# Altium PCB 继电器板.PcbDoc
Units mil, origin at the board's own origin, x right, y up, seen from the top; angles counter-clockwise.
Board outline 5433.07 x 2953 mil, 2 copper layers (Top Layer, Bottom Layer); 149 components, 143 nets, 537 pads, 92 vias.
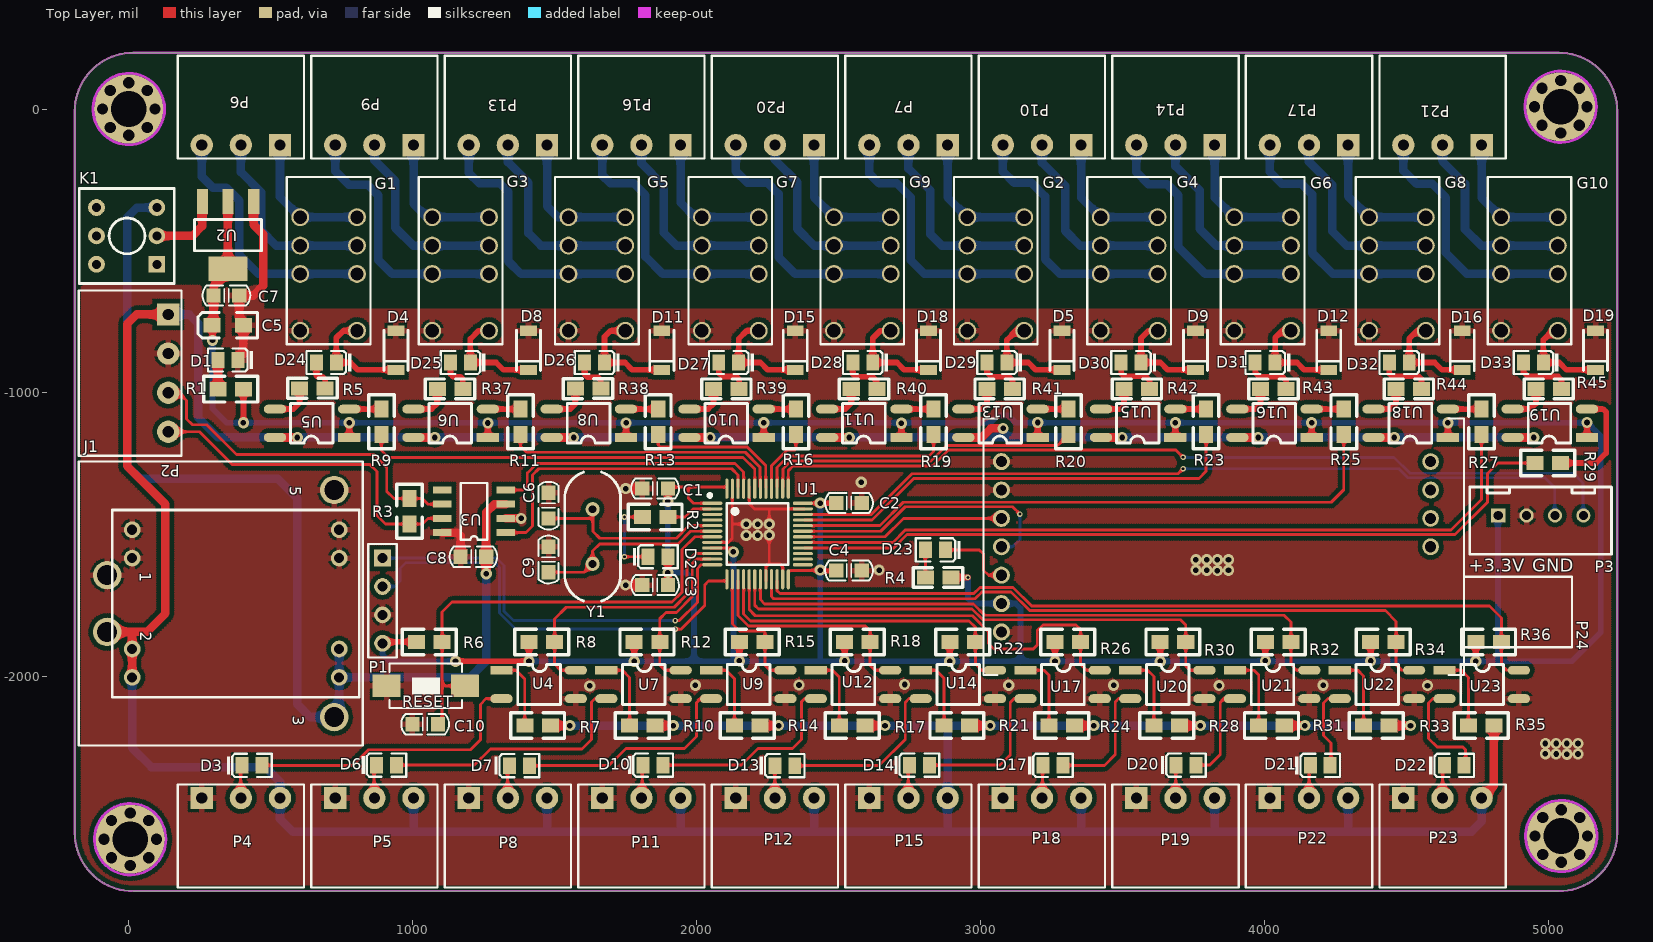
[diagram p0: Top Layer view]
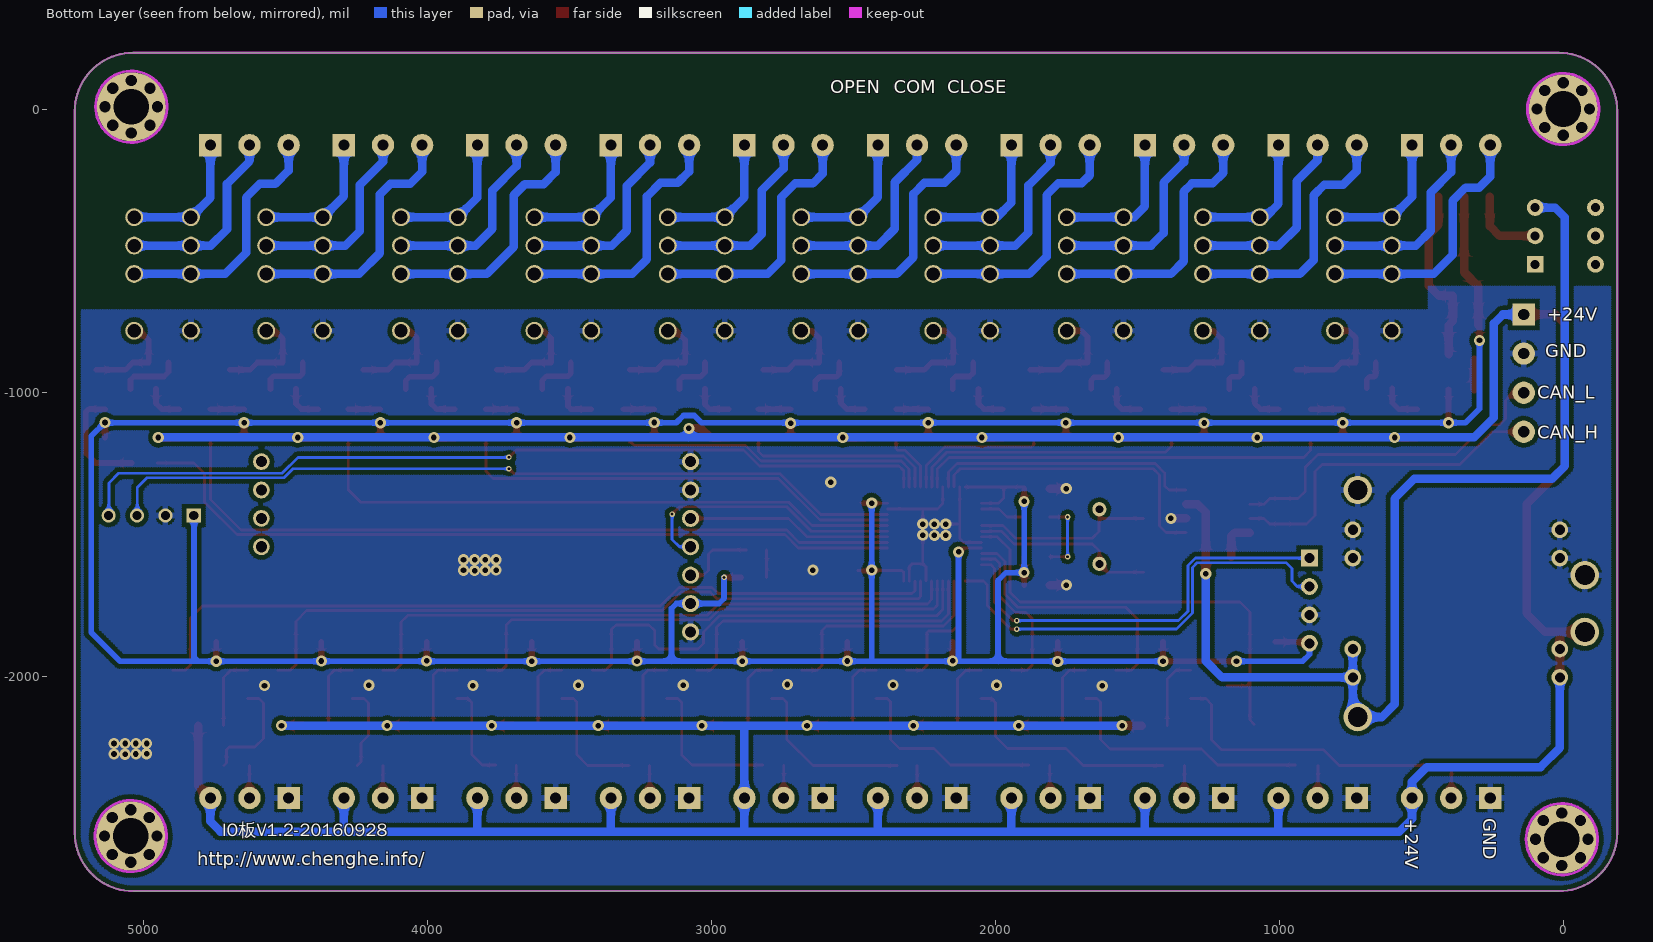
[diagram p1: Bottom Layer view, seen from below]

## Layer stack, top to bottom
Top Solder: solder mask 0.4, Solder Resist, Dk 3.5
Top Layer: signal copper 1.4
Dielectric1: dielectric 12.6, FR-4, Dk 4.8
Bottom Layer: signal copper 1.4
Bottom Solder: solder mask 0.4, Solder Resist, Dk 3.5

## Board outline
-190,-2550 -190,-7 cw(c15,-7) 15,198 5038.07,198 cw(c5038.07,-7) 5243.07,-7 5243.07,-2550 5243,-2550 cw(c5038,-2550) 5038,-2755 5038,-2754.76 15,-2754.76 15,-2755 cw(c15,-2550)

## Design rules (kind name [scope] priority, off if disabled: settings)
Clearance Clearance_1 [InPolygon] p1: gap=15.75
Clearance [All] p2: gap=6
HoleSize [All] p1: absolutevalues=TRUE maxlimit=196.85 minlimit=1 maxpercent=80.000 minpercent=20.000
HoleToHoleClearance [All] p1: gap=0 allowstackedmicrovias=TRUE
MinimumSolderMaskSliver [All] p1: minsoldermaskwidth=0
PolygonConnect PolygonConnect_1 [IsVia] p1: connectstyle=Direct reliefconductorwidth=10 reliefentries=4 polygonreliefangle="90 Angle" airgapwidth=10
PolygonConnect [IsPad] p2: connectstyle=Relief reliefconductorwidth=20 reliefentries=4 polygonreliefangle="90 Angle" airgapwidth=10
RoutingVias [All] p1: holewidth=28 width=50 viastyle="Through Hole" minholewidth=9.84 minwidth=19.68 maxholewidth=28 maxwidth=50
SilkToSilkClearance [All] p1: silktosilkclearance=-393.7
SilkToSolderMaskClearance [IsPad] p1: minsilkscreentomaskgap=-393.7 clearancetoexposedcopper=TRUE
SolderMaskExpansion [All] p1: expansion=4
UnpouredPolygon [All] p1: allowunpoured=FALSE
Width [All] p1: maxlimit=100 minlimit=8 preferedwidth=10
24 further rules are at their usual default settings.

## Components (designator, comment, footprint, x,y, rotation, side; value= is the part's Value field where it differs from the comment)
C1 "104" C0805 1854,-1337 r180 top
C2 "104" C0805 2537,-1388 r0 top
C3 "104" C0805 1854,-1677 r180 top
C4 "104" C0805 2537,-1626 r0 top
C5 "100uF/6.3V" 3216 349,-762 r180 top
C6 "22pF" C0805 1479,-1397 r90 top
C7 "0.1uF" C0805 344,-657 r180 top
C8 "104" C0805 1214,-1577 r180 top
C9 "22pF" C0805 1479,-1587 r90 top
C10 "0.1uF" C0805 1044,-2167 r180 top
D1 "LED0" LC-0805_LED_S1 314,-884 r180 top
D2 "LED0" LC-0805_LED_S1 1899,-1577 r0 top
D3 "LED0" LC-0805_LED_S1 469,-2312 r0 top
D4 "" LC-LL-34 941,-918.8 r90 top
D5 "" LC-LL-34 3287.44,-918.8 r90 top
D6 "LED0" LC-0805_LED_S1 943,-2311 r0 top
D7 "LED0" LC-0805_LED_S1 1411,-2313 r0 top
D8 "" LC-LL-34 1407.89,-918.8 r90 top
D9 "" LC-LL-34 3757.33,-918.8 r90 top
D10 "LED0" LC-0805_LED_S1 1882,-2311 r0 top
D11 "" LC-LL-34 1877.78,-918.8 r90 top
D12 "" LC-LL-34 4227.22,-918.8 r90 top
D13 "LED0" LC-0805_LED_S1 2346,-2313 r0 top
D14 "LED0" LC-0805_LED_S1 2820,-2311 r0 top
D15 "" LC-LL-34 2347.67,-918.8 r90 top
D16 "" LC-LL-34 4697.11,-918.8 r90 top
D17 "LED0" LC-0805_LED_S1 3291,-2312 r0 top
D18 "" LC-LL-34 2817.56,-918.8 r90 top
D19 "" LC-LL-34 5167,-918.8 r90 top
D20 "LED0" LC-0805_LED_S1 3759,-2311 r0 top
D21 "LED0" LC-0805_LED_S1 4232,-2312 r0 top
D22 "LED0" LC-0805_LED_S1 4704,-2312 r0 top
D23 "LED0" LC-0805_LED_S1 2807,-1553 r180 top
D24 "LED0" LC-0805_LED_S1 661,-893 r180 top
D25 "LED0" LC-0805_LED_S1 1133.44,-893 r180 top
D26 "LED0" LC-0805_LED_S1 1605.89,-893 r180 top
D27 "LED0" LC-0805_LED_S1 2078.33,-893 r180 top
D28 "LED0" LC-0805_LED_S1 2550.78,-893 r180 top
D29 "LED0" LC-0805_LED_S1 3023.22,-893 r180 top
D30 "LED0" LC-0805_LED_S1 3495.67,-893 r180 top
D31 "LED0" LC-0805_LED_S1 3968.11,-893 r180 top
D32 "LED0" LC-0805_LED_S1 4440.56,-893 r180 top
D33 "LED0" LC-0805_LED_S1 4913,-893 r180 top
G1 "G6S-2-24V" G6S-2-24V 604,-781 r90 top
G2 "G6S-2-24V" G6S-2-24V 2954,-781 r90 top
G3 "G6S-2-24V" G6S-2-24V 1069,-781 r90 top
G4 "G6S-2-24V" G6S-2-24V 3424,-781 r90 top
G5 "G6S-2-24V" G6S-2-24V 1549,-781 r90 top
G6 "G6S-2-24V" G6S-2-24V 3894,-781 r90 top
G7 "G6S-2-24V" G6S-2-24V 2019,-781 r90 top
G8 "G6S-2-24V" G6S-2-24V 4369,-781 r90 top
G9 "G6S-2-24V" G6S-2-24V 2484,-781 r90 top
G10 "G6S-2-24V" G6S-2-24V 4834,-781 r90 top
J1 "WD5-24S5A1" WD5-24S3V3 -76,-1642 r0 top
K1 "BUTTON" BTN8.5*8.5 99,-547 r180 top
P1 "Header 4" HDR1X4 894,-1582 r270 top
P2 "CAN" DZ-4-3.5 139,-723.61 r270 top
P3 "Header 4" IDE4 4824,-1432 r0 top
P4 "" DZ-3-3.5 257.2,-2427 r0 top locked
P5 "" DZ-3-3.5 727.52,-2427 r0 top
P6 "" DZ-3-3.5 532.8,-127 r180 top locked
P7 "" DZ-3-3.5 2884.35,-127 r180 top
P8 "" DZ-3-3.5 1197.83,-2427 r0 top
P9 "" DZ-3-3.5 1003.11,-127 r180 top
P10 "" DZ-3-3.5 3354.66,-127 r180 top
P11 "" DZ-3-3.5 1668.14,-2427 r0 top
P12 "" DZ-3-3.5 2138.45,-2427 r0 top
P13 "" DZ-3-3.5 1473.42,-127 r180 top
P14 "" DZ-3-3.5 3824.97,-127 r180 top
P15 "" DZ-3-3.5 2608.76,-2427 r0 top
P16 "" DZ-3-3.5 1943.73,-127 r180 top
P17 "" DZ-3-3.5 4295.28,-127 r180 top
P18 "" DZ-3-3.5 3079.07,-2427 r0 top
P19 "" DZ-3-3.5 3549.38,-2427 r0 top
P20 "" DZ-3-3.5 2414.04,-127 r180 top
P21 "" DZ-3-3.5 4765.59,-127 r180 top locked
P22 "" DZ-3-3.5 4019.69,-2427 r0 top
P23 "" DZ-3-3.5 4490,-2427 r0 top locked
P24 "Header 7" AS50-T27 3074,-1842 r0 top
R1 "1k" 0805 404,-987 r180 top
R2 "102" 0805 1899,-1437 r180 top
R3 "120R" 0805 989,-1372 r270 top
R4 "1k" 0805 2896,-1650 r180 top
R5 "4.7K" 0805 602,-984 r0 top
R6 "10K" 0805 1104,-1877 r180 top
R7 "4.7K" 0805 1395,-2172 r0 top
R8 "1K" 0805 1500,-1877 r180 top
R9 "1K" 0805 890,-1147 r90 top
R10 "4.7K" 0805 1764.33,-2172 r0 top
R11 "1K" 0805 1380,-1147 r90 top
R12 "1K" 0805 1870.56,-1877 r180 top
R13 "1K" 0805 1865,-1147 r90 top
R14 "4.7K" 0805 2133.67,-2172 r0 top
R15 "1K" 0805 2241.11,-1877 r180 top
R16 "1K" 0805 2350,-1147 r90 top
R17 "4.7K" 0805 2503,-2172 r0 top
R18 "1K" 0805 2611.67,-1877 r180 top
R19 "1K" 0805 2835,-1147 r90 top
R20 "1K" 0805 3310,-1147 r90 top
R21 "4.7K" 0805 2872.33,-2172 r0 top
R22 "1K" 0805 2982.22,-1877 r180 top
R23 "1K" 0805 3795,-1147 r90 top
R24 "4.7K" 0805 3241.67,-2172 r0 top
R25 "1K" 0805 4280,-1147 r90 top
R26 "1K" 0805 3352.78,-1877 r180 top
R27 "1K" 0805 4765,-1147 r90 top
R28 "4.7K" 0805 3611,-2172 r0 top
R29 "1K" 0805 4953,-1247 r0 top
R30 "1K" 0805 3723.33,-1877 r180 top
R31 "4.7K" 0805 3980.33,-2172 r0 top
R32 "1K" 0805 4093.89,-1877 r180 top
R33 "4.7K" 0805 4349.67,-2172 r0 top
R34 "1K" 0805 4464.44,-1877 r180 top
R35 "4.7K" 0805 4719,-2172 r0 top
R36 "1K" 0805 4835,-1877 r180 top
R37 "4.7K" 0805 1087,-986 r0 top
R38 "4.7K" 0805 1573,-985 r0 top
R39 "4.7K" 0805 2060,-986 r0 top
R40 "4.7K" 0805 2545,-986 r0 top
R41 "4.7K" 0805 3023,-986 r0 top
R42 "4.7K" 0805 3506,-986 r0 top
R43 "4.7K" 0805 3987,-986 r0 top
R44 "4.7K" 0805 4464,-986 r0 top
R45 "4.7K" 0805 4957,-986 r0 top
RESET "KEY_M" SW_PB2_A1 1044,-2032 r270 top (schematic designator RESET?)
U1 "STM32f103C8T6" LC-LQFP-48 2215,-1497 r270 top
U2 "AMS1117" LC-SOT-223 350,-444 r90 top
U3 "TJA1050" SOP-8 1328.41,-1492 r180 top
U4 "TLP185" TLP127 1290,-1976.96 r0 top
U5 "TLP127" SO-4 800,-1157.04 r180 top
U6 "TLP127" SO-4 1288.19,-1157.04 r180 top
U7 "TLP185" TLP127 1659.09,-1976.96 r0 top
U8 "TLP127" SO-4 1775,-1157.04 r180 top
U9 "TLP185" TLP127 2028.18,-1976.96 r0 top
U10 "TLP127" SO-4 2260,-1157.04 r180 top
U11 "TLP127" SO-4 2745,-1157.04 r180 top
U12 "TLP185" TLP127 2397.27,-1976.96 r0 top
U13 "TLP127" SO-4 3225,-1157.04 r180 top
U14 "TLP185" TLP127 2766.36,-1976.96 r0 top
U15 "TLP127" SO-4 3710,-1157.04 r180 top
U16 "TLP127" SO-4 4190,-1157.04 r180 top
U17 "TLP185" TLP127 3135.45,-1976.96 r0 top
U18 "TLP127" SO-4 4670,-1157.04 r180 top
U19 "TLP127" SO-4 5160,-1157.04 r180 top
U20 "TLP185" TLP127 3504.54,-1976.96 r0 top
U21 "TLP185" TLP127 3873.63,-1976.96 r0 top
U22 "TLP185" TLP127 4242.72,-1976.96 r0 top
U23 "TLP185" TLP127 4611.81,-1976.96 r0 top
Y1 "8M" XTAL_US 1634,-1409.87 r270 top

## Footprints (in the part's own frame and the unit in brackets; to place one, negate y for a bottom-side part, rotate by r counter-clockwise, add the part's x,y. Pads: shape width x height; smd on the part's side, far side on the other; paste and mask are expansions set on the pad)
0805 [mil]
  rect 60x50 smd: 1(0,0) 2(90,0)
  silkscreen extent -50,-45 140,45
3216 [mil]
  rect 60x50 smd: 1(55,0) 2(-55,0)
  silkscreen extent -105,-45 105,45, body extent -65,-31 61,32, height 63
AS50-T27 [mm]
  round 1.5 hole 1: 0(38.4,7.62) 0(38.4,10.16) 0(38.4,12.7) 0(38.4,15.24)
  round 1.524 hole 1: 1(0,0) 2(0,2.54) 3(0,5.08) 4(0,7.62) 5(0,10.16) 6(0,12.7) 7(0,15.24)
  silkscreen extent -1.6,-3.85 51.05,19.09
BTN8.5*8.5 [mm]
  rect 1.5x1.5 hole 0.8: 1(0,0)
  round 1.5 hole 0.8: 2(0,-2.54) 3(0,-5.08) 4(5.4,-5.08) 5(5.4,-2.54) 6(5.4,0)
  silkscreen extent -1.55,-6.79 6.95,1.71
C0805 [mil]
  rect 50x50 smd: 1(-45,0) 2(45,0)
  silkscreen extent -84,-36 84,36, body extent -39,-25 40,24, height 20
DZ-3-3.5 [mm]
  rect 2x2 hole 1: 1(0,0)
  round 2 hole 1: 2(3.5,0) 3(7,0)
  silkscreen extent -2.15,-8 9.15,1.2
DZ-4-3.5 [mm]
  rect 2x2 hole 1: 1(0,0)
  round 2 hole 1: 2(3.5,0) 3(7,0) 4(10.5,0)
  silkscreen extent -2.15,-8 12.65,1.2
G6S-2-24V [mm]
  round 1.6 hole 1.2: 1(0,0) 3(5.08,0) 4(7.62,0) 5(10.16,0) 8(10.16,-5.08) 9(7.62,-5.08) 10(5.08,-5.08) 12(0,-5.08)
  silkscreen extent -1.2,-6.28 13.76,1.2
HDR1X4 [mm] "Conn"
  rect 1.5x1.5 hole 0.9: 1(0,0)
  round 1.5 hole 0.9: 2(2.54,0) 3(5.08,0) 4(7.62,0)
  silkscreen extent -1.27,-1.27 8.89,1.27
IDE4 [mil]
  rect 50x50 hole 32: 1(0,0)
  round 50 hole 32: 2(100,0) 3(200,0) 4(300,0)
  silkscreen extent -100,-136 399,100
LC-0805_LED_S1 [mm]
  rect 1.16x1.47 smd: A(0.001,0) K(-1.779,0)
  silkscreen extent -3.13,-1.04 0.88,1.03, body extent -1.9,-0.62 0.12,0.62, height 1.1
LC-LL-34 [mm]
  rect 0.9x1.5 smd: 1(3.5,0) 2(0,0)
  silkscreen extent -0.05,-1.08 3.55,1.07
LC-LQFP-48 [mm]
  oval 0.28x1.8 smd mask+0.051: 1(-2.75,-4.05) 2(-2.25,-4.05) 3(-1.75,-4.05) 4(-1.25,-4.05) 5(-0.75,-4.05) 6(-0.25,-4.05) 7(0.25,-4.05) 8(0.75,-4.05) 9(1.25,-4.05) 10(1.75,-4.05) 11(2.25,-4.05) 12(2.75,-4.05) 25(2.75,4.05) 26(2.25,4.05) 27(1.75,4.05) 28(1.25,4.05) 29(0.75,4.05) 30(0.25,4.05) 31(-0.25,4.05) 32(-0.75,4.05) 33(-1.25,4.05) 34(-1.75,4.05) 35(-2.25,4.05) 36(-2.75,4.05)
  oval 1.8x0.28 smd mask+0.051: 13(4.05,-2.75) 14(4.05,-2.25) 15(4.05,-1.75) 16(4.05,-1.25) 17(4.05,-0.75) 18(4.05,-0.25) 19(4.05,0.25) 20(4.05,0.75) 21(4.05,1.25) 22(4.05,1.75) 23(4.05,2.25) 24(4.05,2.75) 37(-4.05,2.75) 38(-4.05,2.25) 39(-4.05,1.75) 40(-4.05,1.25) 41(-4.05,0.75) 42(-4.05,0.25) 43(-4.05,-0.25) 44(-4.05,-0.75) 45(-4.05,-1.25) 46(-4.05,-1.75) 47(-4.05,-2.25) 48(-4.05,-2.75)
  silkscreen extent -3.6,-4.42 2.75,2.75
LC-SOT-223 [mm]
  rect 2.2x1 smd: 1(3,-2.3) 2(3,0) 3(3,2.3)
  rect 2.2x3.5 smd: 2(-3,0)
  silkscreen extent -1.4,-3 1.4,3, body extent -3.49,-3.24 3.49,3.24, height 1.64
SO-4 [mm]
  rect 2x0.8 smd: 1(0.589,-0.001)
  oval 2x0.8 smd: 2(0.589,-2.541) 3(7.239,-2.541) 4(7.239,-0.001)
  silkscreen extent 2.04,-3.05 5.85,0.51
SOP-8 [mil]
  rect 65x25 smd: 1(0,0) 2(0,-50) 3(0,-100) 4(0,-150) 5(224.41,-150) 6(224.41,-100) 7(224.41,-50) 8(224.41,0)
  silkscreen extent 65,-175 159,25
SW_PB2_A1 [mm]
  rect 2x2.5 smd: 1(0,3.556) 2(0,-3.444)
  silkscreen extent -2,-3.19 2,3.31, body extent -2.03,-3.18 2.03,3.3, height 1.2
TLP127 [mm]
  rect 2x0.8 smd: 1(0.589,-0.001)
  oval 2x0.8 smd: 3(0.589,-2.541) 4(7.239,-2.541) 6(7.239,-0.001)
  silkscreen extent 2.04,-3.05 5.85,0.51
WD5-24S3V3 [mm]
  round 2.54 hole 1.778: 1(0,0) 2(0,-5.08) 3(20.32,-12.7) 5(20.32,7.62)
  round 1.5 hole 0.9: 1(2.235,1.524) 1(2.235,4.064) 2(2.235,-9.144) 2(2.235,-6.604) 3(20.759,-9.144) 3(20.759,-6.604) 5(20.759,1.524) 5(20.759,4.064)
  silkscreen extent -2.54,-15.24 22.86,10.16
XTAL_US [mil]
  round 50 hole 28: 1(0,0) 2(192.13,0)
  silkscreen extent -131,-98 323,98

## Part data
C1 C2 C3 C4 C6 C9: library part Cap, "Cap"
D1 D2 D3 D6 D7 D10 D13 D14 D17 D20 D21 D22 D23 D24 D25 D26 D27 D28 D29 D30 D31 D32 D33: "Typical INF"
D4 D5 D8 D9 D11 D12 D15 D16 D18 D19: library part DIODE
J1: library part WD5-24
P1: "Header, 4-Pin"
P2: library part "Header 4", "Header,"
P3 P24: "Header,"
P4 P5 P6 P7 P8 P9 P10 P11 P12 P13 P14 P15 P16 P17 P18 P19 P20 P21 P22 P23: library part "Header 3", "Header,"
U1: library part stm32f1
Y1: library part XTAL, "Crystal Osci"

## Free pads (board coordinates)
  round 39.37 hole 39.37: 1(-92.52,0) 1(-87.52,-2572) 1(-65.42,-65.42) 1(-65.42,65.42) 1(-60.42,-2637.42) 1(-60.42,-2506.58) 1(0,-92.52) 1(0,92.52) 1(5,-2664.52) 1(5,-2479.48) 1(65.42,-65.42) 1(65.42,65.42) 1(70.42,-2637.42) 1(70.42,-2506.58) 1(92.52,0) 1(97.52,-2572) 1(4951.48,8) 1(4953.48,-2561) 1(4978.58,-57.42) 1(4978.58,73.42) 1(4980.58,-2626.42) 1(4980.58,-2495.58) 1(5044,-84.52) 1(5044,100.52) 1(5046,-2653.52) 1(5046,-2468.48) 1(5109.42,-57.42) 1(5109.42,73.42) 1(5111.42,-2626.42) 1(5111.42,-2495.58) 1(5136.52,8) 1(5138.52,-2561)
  round 244.09 hole 125.98 unplated: 1(0,0)
  round 244.09 hole 125.98: 1(5,-2572) 1(5044,8) 1(5046,-2561)

## Via types
v1: diameter 39.37, hole 19.68, Top Layer to Bottom Layer, tented both sides, 84 vias
v2: diameter 19.68, hole 9.84, Top Layer to Bottom Layer, tented both sides, 8 vias

## Nets (pads, with @x,y where several pads share a name; then routed paths per layer and width w, separated by ;. In a path a pad name is that pad's centre, name@x,y a point inside that pad or via, vN(x,y) a via of type N, cw(c..) or ccw(c..) an arc to the next point about the centre after c; other vN are vias at no path point)
AUX: D23.K P24.3 | length 267.2
  Top Layer w10: D23.K 2996,-1553 3011,-1568 3011,-1625 3028,-1642 P24.3
CAN_H: P2.4 R3.2 U3.7 | length 1198.7
  Top Layer w10: P2.4 249.5,-1137 364.5,-1252 849,-1252 874,-1277 874,-1432 904,-1462 R3.2 1034,-1462 1054,-1442 U3.7
CAN_L: P2.3 R3.1 U3.6 | length 1215.6
  Top Layer w10: P2.3 176.2,-999.2 204,-1027 204,-1092 224,-1112 274,-1112 379,-1217 864,-1217 909,-1262 909,-1347 934,-1372 R3.1 1034,-1372 1054,-1392 U3.6
CAN_RX: U1.45 U3.4 | length 967.5
  Top Layer w10: U3.4 1389,-1342 1404,-1327 1404,-1282 1437,-1249 2136,-1249 2165.79,-1278.79 U1.45@2165.79,-1331.65
CAN_TX: U1.46 U3.1 | length 1067.8
  Top Layer w10: U3.1 1399,-1492 1422,-1469 1422,-1289.46 1444.46,-1267 2124,-1267 2146.1,-1289.1 U1.46@2146.1,-1331.65
CLOSE_0: G1.3 G1.10 P6.3 | length 911.9
  Bottom Layer w30: P6.3 257.2,-238.2 296,-277 344,-277 390,-323 390,-514 457,-581 G1.3 G1.10
CLOSE_1: G3.3 G3.10 P9.3 | length 916.7
  Bottom Layer w30: P9.3 727.52,-218.52 775,-266 841,-266 879,-304 879,-532 928,-581 G3.3 G3.10
CLOSE_2: G5.3 G5.10 P13.3 | length 940
  Bottom Layer w30: P13.3 1197.83,-224.83 1235,-262 1308,-262 1337,-291 1337,-536 1382,-581 G5.3 G5.10
CLOSE_3: G7.3 G7.10 P16.3 | length 928.2
  Bottom Layer w30: P16.3 1668.14,-233.14 1696,-261 1778,-261 1820,-303 1820,-520 1881,-581 G7.3 G7.10
CLOSE_4: G9.3 G9.10 P20.3 | length 918.4
  Bottom Layer w30: P20.3 2138.45,-219.45 2179,-260 2250,-260 2289,-299 2289,-522 2348,-581 G9.3 G9.10
CLOSE_5: G2.3 G2.10 P7.3 | length 922.4
  Bottom Layer w30: P7.3 2608.76,-227.76 2643,-262 2706,-262 2754,-310 2754,-532 2803,-581 G2.3 G2.10
CLOSE_6: G4.3 G4.10 P10.3 | length 917
  Bottom Layer w30: P10.3 3079.07,-220.07 3119,-260 3180,-260 3228,-308 3228,-529 3280,-581 G4.3 G4.10
CLOSE_7: G6.3 G6.10 P14.3 | length 895.2
  Bottom Layer w30: P14.3 3549.38,-222.38 3592,-265 3658,-265 3697,-304 3697,-486 3792,-581 G6.3 G6.10
CLOSE_8: G8.3 G8.10 P17.3 | length 914.1
  Bottom Layer w30: P17.3 4019.69,-221.69 4062,-264 4132,-264 4169,-301 4169,-508 4242,-581 G8.3 G8.10
CLOSE_9: G10.3 G10.10 P21.3 | length 899
  Bottom Layer w30: P21.3 4490,-217 4537,-264 4592,-264 4640,-312 4640,-507 4714,-581 G10.3 G10.10
COM0: G1.4 G1.9 P6.2 | length 690.4
  Bottom Layer w30: P6.2 395,-222 467,-294 467,-429 519,-481 G1.4 G1.9
COM1: G3.4 G3.9 P9.2 | length 677.6
  Bottom Layer w30: P9.2 865.31,-180.31 939,-254 939,-418 1002,-481 G3.4 G3.9
COM2: G5.4 G5.9 P13.2 | length 699.2
  Bottom Layer w30: P13.2 1335.62,-186.62 1408,-259 1408,-437 1452,-481 G5.4 G5.9
COM3: G7.4 G7.9 P16.2 | length 694.4
  Bottom Layer w30: P16.2 1805.93,-190.93 1884,-269 1884,-435 1930,-481 G7.4 G7.9
COM4: G9.4 G9.9 P20.2 | length 681.1
  Bottom Layer w30: P20.2 2276.24,-179.24 2355,-258 2355,-422 2414,-481 G9.4 G9.9
COM5: G2.4 G2.9 P7.2 | length 692.6
  Bottom Layer w30: P7.2 2746.55,-209.55 2824,-287 2824,-441 2864,-481 G2.4 G2.9
COM6: G4.4 G4.9 P10.2 | length 682.6
  Bottom Layer w30: P10.2 3216.86,-188.86 3299,-271 3299,-429 3351,-481 G4.4 G4.9
COM7: G6.4 G6.9 P14.2 | length 676.6
  Bottom Layer w30: P14.2 3687.17,-201.17 3772,-286 3772,-422 3831,-481 G6.4 G6.9
COM8: G8.4 G8.9 P17.2 | length 687.9
  Bottom Layer w30: P17.2 4157.48,-185.48 4239,-267 4239,-430 4290,-481 G8.4 G8.9
COM9: G10.4 G10.9 P21.2 | length 680.4
  Bottom Layer w30: P21.2 4627.79,-184.79 4707,-264 4707,-424 4764,-481 G10.4 G10.9
DI0: D3.K P4.2 | length 115.4
  Top Layer w10: D3.K@394,-2312 394,-2426 P4.2
DI1: D6.K P5.2 | length 115.5
  Top Layer w10: D6.K@864,-2312 864,-2425.69 P5.2
DI2: D7.K P8.2 | length 115.5
  Top Layer w10: D7.K@1334.31,-2312 1334.31,-2425.69 P8.2
DI3: D10.K P11.2 | length 116.3
  Top Layer w10: P11.2 1809,-2423.93 D10.K@1809,-2312
DI4: D13.K P12.2 | length 115.1
  Top Layer w10: D13.K@2276,-2312 2276,-2426.76 P12.2
DI5: D14.K P15.2 | length 115.2
  Top Layer w10: D14.K@2746,-2312 2746,-2426.45 P15.2
DI6: D17.K P18.2 | length 115.8
  Top Layer w10: P18.2 3218.69,-2425.17 D17.K@3218.69,-2312
DI7: D20.K P19.2 | length 115.3
  Top Layer w10: P19.2 3688,-2426.17 D20.K@3688,-2312
DI8: D21.K P22.2 | length 115.2
  Top Layer w10: P22.2 4158,-2426.48 D21.K@4158,-2312
DI9: D22.K P23.2 | length 115.1
  Top Layer w10: P23.2 4628,-2426.79 D22.K@4628,-2312
DII0: R8.1 U1.10 U4.6 | length 955.7
  Top Layer w10: U4.6 1522,-1977 1500,-1955 R8.1 1500,-1796 1541,-1755 1921.46,-1755 1967,-1709.46 1967,-1594 1995.1,-1565.9 U1.10@2049.65,-1565.9
DII1: R12.1 U1.11 U7.6 | length 577.9
  Top Layer w10: U7.6 1889,-1977 1870.56,-1958.56 R12.1 1870.56,-1795.44 1893,-1773 1928.91,-1773 1985,-1716.91 1985,-1601.46 2000.87,-1585.58 U1.11@2049.65,-1585.58
DII2: R15.1 U1.14 U9.6 | length 473.5
  Top Layer w10: U1.14@2126.42,-1662.35 2126.42,-1814.42 2151,-1839 2236,-1839 2241.11,-1844.11 R15.1 2241.11,-1959.11 2259,-1977 U9.6
DII3: R18.1 U1.15 U12.6 | length 809.9
  Top Layer w10: U1.15@2146.1,-1662.35 2146.1,-1784.56 2182.54,-1821 2595.67,-1821 2611.67,-1837 R18.1 2611.67,-1959.67 2629,-1977 U12.6
DII4: R22.1 U1.16 U14.6 | length 1160.3
  Top Layer w10: U1.16@2165.79,-1662.35 2165.79,-1778.79 2190,-1803 2960,-1803 2982.22,-1825.22 R22.1 2982.22,-1955.22 3004,-1977 U14.6
DII5: R26.1 U1.17 U17.6 | length 1620.9
  Top Layer w10: U1.17@2185.47,-1662.35 2185.47,-1763.47 2207,-1785 2972,-1785 3029,-1842 3029,-1883 3048,-1902 3186,-1902 3200,-1888 3200,-1837 3220,-1817 3337,-1817 3352.78,-1832.78 R26.1 3352.78,-1955.78 3374,-1977 U17.6
DII6: R30.1 U1.18 U20.6 | length 1849.5
  Top Layer w10: U1.18@2205.16,-1662.35 2205.16,-1748.16 2218,-1761 2970.63,-1761 3008.63,-1799 3705.33,-1799 3723.33,-1817 R30.1 3723.33,-1961.33 3739,-1977 U20.6
DII7: R32.1 U1.19 U21.6 | length 2190.3
  Top Layer w10: U1.19@2224.84,-1662.35 2224.84,-1727.84 2240,-1743 2975.25,-1743 3015.25,-1783 4070,-1783 4093.89,-1806.89 R32.1 4093.89,-1956.89 4114,-1977 U21.6
DII8: R34.1 U1.21 U22.6 | length 2535.2
  Top Layer w10: U1.21@2264.21,-1662.35 2264.21,-1717.21 2272,-1725 2981,-1725 3005,-1701 3108,-1701 3174,-1767 4426.44,-1767 4464.44,-1805 R34.1 4464.44,-1957.44 4484,-1977 U22.6
DII9: R36.1 U1.22 U23.6 | length 2878.4
  Top Layer w10: U1.22@2283.9,-1662.35 2283.9,-1696.9 2294,-1707 2976.37,-1707 2998.37,-1685 3114.63,-1685 3180.63,-1751 4793,-1751 4835,-1793 R36.1 4835,-1958 4854,-1977 U23.6
DO0: D4.2 D24.K G1.12 | length 391
  Top Layer w20: G1.12 756,-781 731.04,-805.96 D24.K 781,-893 806.8,-918.8 D4.2
DO1: D8.2 D25.K G3.12 | length 375.9
  Top Layer w20: G3.12 1232,-781 1203.48,-809.52 D25.K 1294,-893 1319.8,-918.8 D8.2
DO2: D11.2 D26.K G5.12 | length 385.3
  Top Layer w20: G5.12 1697,-781 1675.93,-802.07 D26.K 1748,-893 1773.8,-918.8 D11.2
DO3: D15.2 D27.K G7.12 | length 375.8
  Top Layer w20: G7.12 2177,-781 2148.37,-809.63 D27.K 2225,-893 2250.8,-918.8 D15.2
DO4: D18.2 D28.K G9.12 | length 367.3
  Top Layer w20: G9.12 2647,-781 2620.82,-807.18 D28.K 2706,-893 2731.8,-918.8 D18.2
DO5: D5.2 D29.K G2.12 | length 358.4
  Top Layer w20: G2.12 3126,-781 3093.26,-813.74 D29.K 3169,-893 3194.8,-918.8 D5.2
DO6: D9.2 D30.K G4.12 | length 357.2
  Top Layer w20: G4.12 3592,-781 3565.71,-807.29 D30.K 3634,-893 3659.8,-918.8 D9.2
DO7: D12.2 D31.K G6.12 | length 353
  Top Layer w20: G6.12 4063,-781 4038.15,-805.85 D31.K 4115,-893 4140.8,-918.8 D12.2
DO8: D16.2 D32.K G8.12 | length 351.6
  Top Layer w20: G8.12 4538,-781 4510.59,-808.41 D32.K 4600,-893 4625.8,-918.8 D16.2
DO9: D19.2 D33.K G10.12 | length 338.9
  Top Layer w20: G10.12 5015,-781 4983.04,-812.96 D33.K 5039,-893 5064.8,-918.8 D19.2
DOO0: R9.1 U1.43 | length 1461.6
  Top Layer w10: R9.1 890,-1203 914,-1227 2164,-1227 2205.16,-1268.16 U1.43@2205.16,-1331.65
DOO1: R11.1 U1.42 | length 985.9
  Top Layer w10: R11.1 1380,-1188 1401,-1209 2171.46,-1209 2224.06,-1261.61 2224.06,-1330.87 U1.42@2224.84,-1331.65
DOO2: R13.1 U1.41 | length 521.1
  Top Layer w10: R13.1 1865,-1183 1873,-1191 2178.91,-1191 2243.75,-1255.84 2243.75,-1330.87 U1.41@2244.53,-1331.65
DOO3: R16.1 U1.40 | length 234.8
  Top Layer w10: U1.40@2264.21,-1331.65 2264.21,-1256.79 2319,-1202 2344,-1202 2350,-1196 R16.1
DOO4: R19.1 U1.39 | length 702.6
  Top Layer w10: U1.39@2283.9,-1331.65 2283.9,-1262.56 2324.46,-1222 2819,-1222 2835,-1206 R19.1
DOO5: R20.1 U1.38 | length 1120
  Top Layer w10: U1.38@2303.58,-1331.65 2304.36,-1330.87 2304.36,-1267.55 2331.91,-1240 2826,-1240 2881,-1185 3272,-1185 R20.1
DOO6: R23.1 U1.33 | length 1614.8
  Top Layer w10: U1.33@2380.35,-1447.79 2618.67,-1447.79 2765.46,-1301 3770,-1301 3795,-1276 R23.1
DOO7: R25.1 U1.32 | length 2146
  Top Layer w10: U1.32@2380.35,-1467.47 2645.9,-1467.47 2728.37,-1385 4236,-1385 4280,-1341 R25.1
DOO8: R27.1 U1.29 | length 2676
  Top Layer w10: U1.29@2380.35,-1526.53 2691.85,-1526.53 2735.37,-1483 4658,-1483 4765,-1376 R27.1
DOO9: R29.1 U1.28 | length 2755.7
  Top Layer w10: U1.28@2380.35,-1546.21 2694.79,-1546.21 2742,-1499 4672,-1499 4786,-1385 4786,-1284 4823,-1247 R29.1
GND: C1.2 C2.2 C3.2 C4.2 C5.2 C6.2 C7.1 C8.2 C9.2 C10.2 D1.K D4.1 D5.1 D8.1 D9.1 D11.1 D12.1 D15.1 D16.1 D18.1 D19.1 G1.1 G2.1 G3.1 G4.1 G5.1 G6.1 G7.1 G8.1 G9.1 G10.1 J1.1 J1.5 P1.3 P2.2 P3.2 P4.1 P5.1 P8.1 P11.1 P12.1 P15.1 P18.1 P19.1 P22.1 P23.1 P24.1 P24.6 P24.7 RESET.2 U1.8 U1.20 U1.23 U1.35 U1.44 U1.47 U2.1 U3.2 U3.8 U4.4 U7.4 U9.4 U12.4 U14.4 U17.4 U20.4 U21.4 U22.4 U23.4 | length 1850.7
  Top Layer w10: U1.8@2049.65,-1526.53 2112.47,-1526.53 2126,-1513 2126,-1463 ; U1.47@2126.42,-1331.65 2126,-1332.06 2126,-1463 ; v1(2175,-1462) 2127,-1462 2126,-1463 ; U1.44@2185.47,-1331.65 2185.47,-1389.47 2204.42,-1408.42 2257,-1408.42 ; U1.20@2244.53,-1662.35 2244.53,-1611.47 2254,-1602 ; v1(2256,-1501) 2256,-1600 2254,-1602 ; v1(2256,-1462) 2256,-1409.42 2257,-1408.42 ; U1.23@2303.58,-1662.35 2303.58,-1612.58 2293,-1602 2254,-1602 ; U1.35@2380.35,-1408.42 2257,-1408.42
  Top Layer w30: D1.K@404,-864.04 C5.2 389,-747 C7.1 439,-657 474,-622 474,-442 439.55,-407.55 U2.1@439.55,-309.13 ; U3.8 1157,-1492 1169,-1504 C8.2 ; U3.2 v1(1382,-1442) ; v1(1750,-1677) C3.2 ; v1(1751,-1337) C1.2
  other v1: 5066,-2273 5028,-2272 5105,-2272 4990,-2271 4990,-2235 5028,-2235 5066,-2235 5105,-2235 1624,-2032 3841,-2031 4575,-2031 1996,-2030 3100,-2030 3469,-2030 4207,-2030 2361,-2029 2733,-2027 3835,-1626 3797,-1625 3874,-1625 2643,-1624 3759,-1624 3759,-1588 3797,-1588 3835,-1588 3874,-1588 2175,-1502 2215,-1502 2215,-1462 2580,-1315
JTCK: P3.4 U1.37 | length 3050.6
  Top Layer w10: U1.37@2323.27,-1331.65 2323.27,-1274.1 2339.37,-1258 2830.63,-1258 2887.63,-1201 3688,-1201 v2(3714,-1227)
  Bottom Layer w10: v2(3714,-1227) 4457,-1227 4513,-1283 5089,-1283 5123,-1317 P3.4@5123,-1432
JTMS: P3.3 U1.34 | length 2835.7
  Top Layer w10: U1.34@2380.35,-1428.1 2615.73,-1428.1 2758.83,-1285 3696,-1285 v2(3714,-1267)
  Bottom Layer w10: v2(3714,-1267) 4474.37,-1267 4506.37,-1299 4989,-1299 5023,-1333 P3.3@5023,-1432
LED1: R2.1 U1.2 | length 162.5
  Top Layer w10: R2.1 1959,-1437 1987.58,-1408.42 U1.2@2049.65,-1408.42
NetC6_1: C6.1 U1.5 Y1.1 | length 677.6
  Top Layer w10: C6.1 1635,-1442 ; Y1.1 1635,-1410.87 1635,-1442 ; U1.5@2049.65,-1467.47 1973.53,-1467.47 1929,-1512 1659,-1512 1635,-1488 1635,-1442
NetC9_1: C9.1 U1.6 Y1.2 | length 688.8
  Top Layer w10: C9.1 1604,-1632 Y1.2 1634,-1557 1659,-1532 1934,-1532 1936,-1530 1936.46,-1530 1979.3,-1487.16 2049.65,-1487.16 2048.87,-1487.94 2018.19,-1487.94
NetD1_A: D1.A R1.2 | length 103
  Top Layer w30: R1.2 D1.A
NetD2_K: D2.K R2.2 | length 266
  Top Layer w10: v2(1746,-1577) D2.K@1809,-1577 ; v2(1746,-1437) R2.2
  Bottom Layer w10: v2(1746,-1577) v2(1746,-1437)
NetD3_A: D3.A U4.3 | length 999.8
  Top Layer w10: D3.A@484,-2312 789,-2312 844,-2257 1204,-2257 1239,-2222 1239,-2097 1259,-2077 U4.3
NetD6_A: D6.A U7.3 | length 913.5
  Top Layer w10: D6.A 1217,-2311 1274,-2254 1597,-2254 1630,-2221 1630,-2089 1642,-2077 U7.3
NetD7_A: D7.A U9.3 | length 808.4
  Top Layer w10: D7.A 1691,-2313 1752,-2252 1958,-2252 2000,-2210 2000,-2090 2013,-2077 U9.3
NetD10_A: D10.A U12.3 | length 713.3
  Top Layer w10: D10.A 2159,-2311 2217,-2253 2338,-2253 2370,-2221 2370,-2088 2381,-2077 U12.3
NetD13_A: D13.A U14.3 | length 617.4
  Top Layer w10: D13.A 2643,-2313 2735,-2221 2735,-2091 2749,-2077 U14.3
NetD14_A: D14.A U17.3 | length 543.3
  Top Layer w10: D14.A 3069,-2311 3105,-2275 3105,-2091 3119,-2077 U17.3
NetD17_A: D17.A U20.3 | length 442.4
  Top Layer w10: D17.A 3437,-2312 3475,-2274 3475,-2089 3487,-2077 U20.3
NetD20_A: D20.A U21.3 | length 342.5
  Top Layer w10: D20.A 3808,-2311 3845,-2274 3845,-2090 3858,-2077 U21.3
NetD21_A: D21.A U22.3 | length 299.3
  Top Layer w10: D21.A@4248,-2312 4235,-2299 4235,-2233 4209,-2207 4209,-2092 4224,-2077 U22.3
NetD22_A: D22.A U23.3 | length 392.5
  Top Layer w10: U23.3 4594,-2077 4579,-2092 4579,-2217 4609,-2247 4699,-2247 4709,-2257 4709,-2303 D22.A@4718,-2312
NetD23_A: D23.A R4.2 | length 97.4
  Top Layer w10: R4.2 2806,-1553.96 D23.A
NetD24_A: D24.A R5.2 | length 113.8
  Top Layer w20: D24.A 660.96,-938.96 665,-943 682,-943 692,-953 R5.2
NetD25_A: D25.A R37.2 | length 125.7
  Top Layer w20: D25.A 1133.41,-933.41 1143,-943 1168,-943 1177,-952 R37.2
NetD26_A: D26.A R38.2 | length 136.8
  Top Layer w20: D26.A 1605.85,-934.85 1611,-940 1611.28,-940 1616.28,-945 1652,-945 1663,-956 R38.2
NetD27_A: D27.A R39.2 | length 151.4
  Top Layer w20: D27.A 2078.29,-929.29 2091,-942 2140,-942 2150,-952 R39.2
NetD28_A: D28.A R40.2 | length 162.5
  Top Layer w20: D28.A 2550.74,-933.74 2560,-943 2619,-943 2635,-959 R40.2
NetD29_A: D29.A R41.2 | length 166.5
  Top Layer w20: D29.A 3023.18,-927.18 3039,-943 3101,-943 3113,-955 R41.2
NetD30_A: D30.A R42.2 | length 178.5
  Top Layer w20: D30.A 3495.63,-930.63 3506,-941 3581,-941 3596,-956 R42.2
NetD31_A: D31.A R43.2 | length 185.6
  Top Layer w20: D31.A 3968.07,-928.07 3983,-943 4064,-943 4077,-956 R43.2
NetD32_A: D32.A R44.2 | length 194.5
  Top Layer w20: D32.A 4440.52,-931.52 4450,-941 4543,-941 4554,-952 R44.2
NetD33_A: D33.A R45.2 | length 210.6
  Top Layer w20: D33.A 4912.96,-925.96 4929,-942 5035,-942 5047,-954 R45.2
NetK1_2: K1.2 U2.3 | length 277.1
  Top Layer w30: K1.2 224,-447 258.45,-412.55 U2.3@258.45,-309.13
NetR5_1: R5.1 U5.3 | length 147.1
  Top Layer w20: U5.3 580,-1057 602,-1035 R5.1
NetR7_1: R7.1 U4.1 | length 258.7
  Top Layer w10: U4.1 1364,-1977 1395,-2008 R7.1
NetR9_2: R9.2 U5.2 | length 113.2
  Top Layer w20: U5.2 R9.2
NetR10_1: R10.1 U7.1 | length 262.2
  Top Layer w10: U7.1 1739,-1977 1764.33,-2002.33 R10.1
NetR11_2: R11.2 U6.2 | length 115
  Top Layer w20: U6.2 R11.2
NetR13_2: R13.2 U8.2 | length 113.2
  Top Layer w20: U8.2 R13.2
NetR14_1: R14.1 U9.1 | length 259.9
  Top Layer w10: U9.1 2104,-1977 2133.67,-2006.67 R14.1
NetR16_2: R16.2 U10.2 | length 113.2
  Top Layer w20: U10.2 R16.2
NetR17_1: R17.1 U12.1 | length 263.5
  Top Layer w10: U12.1 2479,-1977 2503,-2001 R17.1
NetR19_2: R19.2 U11.2 | length 113.2
  Top Layer w20: U11.2 R19.2
NetR20_2: R20.2 U13.2 | length 108.2
  Top Layer w20: U13.2 R20.2
NetR21_1: R21.1 U14.1 | length 261.2
  Top Layer w10: U14.1 2844,-1977 2872.33,-2005.33 R21.1
NetR23_2: R23.2 U15.2 | length 108.2
  Top Layer w20: U15.2 R23.2
NetR24_1: R24.1 U17.1 | length 267.7
  Top Layer w10: U17.1 3224,-1977 3241.67,-1994.67 R24.1
NetR25_2: R25.2 U16.2 | length 113.2
  Top Layer w20: U16.2 R25.2
NetR27_2: R27.2 U18.2 | length 118.2
  Top Layer w20: U18.2 R27.2
NetR28_1: R28.1 U20.1 | length 265.4
  Top Layer w10: U20.1 3589,-1977 3611,-1999 R28.1
NetR29_2: R29.2 U19.2 | length 391.8
  Top Layer w20: R29.2 5169,-1247 5204,-1212 5204,-1067 5194,-1057 U19.2
NetR31_1: R31.1 U21.1 | length 268.9
  Top Layer w10: U21.1 3964,-1977 3980.33,-1993.33 R31.1
NetR33_1: R33.1 U22.1 | length 266.7
  Top Layer w10: U22.1 4329,-1977 4349.67,-1997.67 R33.1
NetR35_1: R35.1 U23.1 | length 264.4
  Top Layer w10: U23.1 4694,-1977 4719,-2002 R35.1
NetR37_1: R37.1 U6.3 | length 143.1
  Top Layer w20: U6.3 1067,-1057 1087,-1037 R37.1
NetR38_1: R38.1 U8.3 | length 144.5
  Top Layer w20: U8.3 1555,-1057 1573,-1039 R38.1
NetR39_1: R39.1 U10.3 | length 144.9
  Top Layer w20: U10.3 2041,-1057 2060,-1038 R39.1
NetR40_1: R40.1 U11.3 | length 143.7
  Top Layer w20: U11.3 2524,-1057 2545,-1036 R40.1
NetR41_1: R41.1 U13.3 | length 144.6
  Top Layer w20: U13.3 3007,-1057 3023,-1041 R41.1
NetR42_1: R42.1 U15.3 | length 145.6
  Top Layer w20: U15.3 3495,-1057 3506,-1046 R42.1
NetR43_1: R43.1 U16.3 | length 142.5
  Top Layer w20: U16.3 3969,-1057 3987,-1039 R43.1
NetR44_1: R44.1 U18.3 | length 138.9
  Top Layer w20: U18.3 4445,-1057 4464,-1038 R44.1
NetR45_1: R45.1 U19.3 | length 141.3
  Top Layer w20: U19.3 4937,-1057 4957,-1037 R45.1
NRST: C10.1 R6.1 RESET.1 U1.7 | length 1628.7
  Top Layer w10: C10.1 1104,-2152 1104,-2022 ; RESET.1 1114,-2032 1104,-2022 ; U1.7@2049.65,-1506.84 1994.16,-1506.84 1949,-1552 1949,-1702 1914,-1737 1139,-1737 1104,-1772 R6.1 1104,-2022
OPEN_0: G1.5 G1.8 P6.1 | length 483.5
  Bottom Layer w30: P6.1 532.8,-309.8 G1.5 G1.8
OPEN_1: G3.5 G3.8 P9.1 | length 492.4
  Bottom Layer w30: P9.1 1003.11,-334.11 1050,-381 G3.5 G3.8
OPEN_2: G5.5 G5.8 P13.1 | length 507
  Bottom Layer w30: P13.1 1473.42,-342.42 1512,-381 G5.5 G5.8
OPEN_3: G7.5 G7.8 P16.1 | length 499.2
  Bottom Layer w30: P16.1 1943.73,-329.73 1995,-381 G7.5 G7.8
OPEN_4: G9.5 G9.8 P20.1 | length 483
  Bottom Layer w30: P20.1 2414.04,-311.04 G9.5 G9.8
OPEN_5: G2.5 G2.8 P7.1 | length 482.9
  Bottom Layer w30: P7.1 2884.35,-311.35 G2.5 G2.8
OPEN_6: G4.5 G4.8 P10.1 | length 482.7
  Bottom Layer w30: P10.1 3354.66,-311.66 G4.5 G4.8
OPEN_7: G6.5 G6.8 P14.1 | length 482.6
  Bottom Layer w30: P14.1 3824.97,-311.97 G6.5 G6.8
OPEN_8: G8.5 G8.8 P17.1 | length 484.5
  Bottom Layer w30: P17.1 4295.28,-307.28 G8.5 G8.8
OPEN_9: G10.5 G10.8 P21.1 | length 482.3
  Bottom Layer w30: P21.1 4765.59,-312.59 G10.5 G10.8
U1_RX: P24.4 U1.31 | length 969.9
  Top Layer w10: U1.31@2380.35,-1487.16 2648.84,-1487.16 2735,-1401 3113,-1401 v2(3139,-1427)
  Bottom Layer w10: P24.4 3113,-1542 3139,-1516 v2(3139,-1427)
U1_TX: P24.5 U1.30 | length 720.5
  Top Layer w10: U1.30@2380.35,-1506.84 2664.16,-1506.84 2729,-1442 P24.5
U2_RX: P1.2 U1.13 | length 1577.5
  Top Layer w10: v2@1925,-1832.59 1944.82,-1832.59 2028.75,-1748.67 2028.75,-1676.25 2042.65,-1662.35 U1.13@2106.73,-1662.35
  Bottom Layer w10: P1.2 937,-1682 956,-1663 956,-1619 977,-1598 1289.37,-1598 1306,-1614.63 1306,-1775.63 1362.37,-1832 v2(1925,-1832)
U2_TX: P1.1 U1.12 | length 1492.9
  Top Layer w10: v2(1925,-1802) 1939,-1802 2003,-1738 2003,-1618 2015.73,-1605.27 U1.12@2049.65,-1605.27
  Bottom Layer w10: P1.1 1296,-1582 1322,-1608 1322,-1769 1355,-1802 v2(1925,-1802)
VCC: C8.1 J1.3 K1.3 U3.3 | length 3909.7
  Top Layer w30: v1(1259,-1637) C8.1 1259,-1421 1288,-1392 U3.3
  Bottom Layer w30: K1.3 29,-347 -6,-382 -6,-1257 39,-1302 524,-1302 594,-1372 594,-2097 639,-2142 724,-2142 741.29,-2124.71 J1.3@741.29,-2002 ; J1.3@741.29,-1902 J1.3@741.29,-2002 ; v1(1259,-1637) 1259,-1945 1202,-2002 J1.3@741.29,-2002
VCC3.3: C1.1 C2.1 C3.1 C4.1 C5.1 C7.2 D2.A P1.4 P3.1 P24.2 R1.1 R4.1 R6.2 R8.2 R12.2 R15.2 R18.2 R22.2 R26.2 R30.2 R32.2 R34.2 R36.2 U1.1 U1.9 U1.24 U1.36 U1.48 U2.2 U5.1 U6.1 U8.1 U10.1 U11.1 U13.1 U15.1 U16.1 U18.1 U19.1 | length 15838.1
  Top Layer w10: C1.1 1904.35,-1331.65 1971,-1331.65 ; U1.9@2049.65,-1546.21 2116.21,-1546.21 v1(2130,-1560) ; U1.1@2049.65,-1388.73 1989.73,-1388.73 1971,-1370 1971,-1331.65 ; U1.48@2106.73,-1331.65 1971,-1331.65 ; U1.24@2323.27,-1662.35 2323.27,-1631.73 2330,-1625 C4.1@2485,-1625 ; U1.36@2380.35,-1388.73 2472.27,-1388.73 C2.1@2474,-1387 ; v1@2444.69,-1635.84 cw(c2459.84,-1656.47) 2466.47,-1631.74 cw(c2473.47,-1605.61) v1@2449.18,-1617.53 ; v1@2445.9,-1398.85 cw(c2460.03,-1414.33) 2465.45,-1394.08 cw(c2472.34,-1368.37) v1@2448.92,-1381.02 ; v1@2446.81,-1378.06 ccw(c2459.22,-1366.66) 2463.58,-1382.94 ccw(c2469.52,-1405.09) v1@2449.08,-1394.67
  Top Layer w20: v1(295,-815) 295,-766 C5.1@299,-762 ; v1(404,-1105) R1.1 ; U5.1 v1(776.81,-1105.19) ; P1.4 899,-1877 R6.2 ; v1(1151,-1945) v1(1410,-1945) R8.2 ; U6.1 v1(1265,-1106) ; U8.1 v1(1751.81,-1105.81) ; v1(1780.56,-1945.56) R12.2 ; C3.1 v1(1899,-1633) D2.A ; v1(1899,-1382) C1.1 ; v1(2151.11,-1944.11) R15.2 ; U10.1 v1(2236.81,-1105.19) ; v1(2521.67,-1944.33) R18.2 ; U11.1 v1(2721.81,-1107) v1@2721.81,-1105.19 ; v1(2892.22,-1945.22) R22.2 R22.2@2894,-1878.78 ; R4.1 v2(2956,-1650) ; U13.1 v1(3201.81,-1104.19) ; v1(3262.78,-1944.78) R26.2 ; v1(3633.33,-1945.67) R30.2 ; U15.1 v1(3686.81,-1105.19) ; v1(4003.89,-1944.11) R32.2 ; U16.1 v1(4166.81,-1105.19) ; v1(4374.44,-1944.44) R34.2 ; U18.1 v1(4646.81,-1105.19) ; v1(4745,-1945) R36.2 ; U19.1 v1(5136.81,-1104.19)
  Top Layer w30: C5.1@299,-762 C7.2 299,-624.87 349,-574.87 U2.2@349,-309.13
  Bottom Layer w20: v1(295,-815) 295,-1056 344.19,-1105.19 v1(776.81,-1105.19) v1(2236.81,-1105.19) 3035.56,-1105.19 3061.18,-1079.57 3098.82,-1079.57 3124.25,-1105 v1@5136.81,-1105 ; P1.4 894,-1921 918,-1945 v1(1151,-1945) ; v1(1410,-1945) 1991,-1945 ; v1(1899,-1382) v1(1899,-1633) 1963,-1633 1991,-1661 1991,-1945 ; v1(2130,-1560) 2130,-1939 2124,-1945 ; v1(2436,-1388) v1(2436,-1624) 2436,-1941 2440,-1945 ; v2(2956,-1650) 2956,-1724 2974,-1742 P24.2 3124,-1742 3141,-1759 3141,-1945 ; P3.1@4823,-1432 4823,-1931 4809,-1945 ; v1(5136.81,-1104.19) 5185,-1152.38 5185,-1844 5084,-1945 4809,-1945 ; 1991,-1945 2124,-1945 ; 2124,-1945 2440,-1945 ; 2440,-1945 3141,-1945 ; 3141,-1945 4809,-1945
VCC24: J1.2 P2.1 P4.3 P5.3 P8.3 P11.3 P12.3 P15.3 P18.3 P19.3 P22.3 P23.3 R7.2 R10.2 R14.2 R17.2 R21.2 R24.2 R28.2 R31.2 R33.2 R35.2 U5.4 U6.4 U8.4 U10.4 U11.4 U13.4 U15.4 U16.4 U18.4 U19.4 | length 18047.6
  Top Layer w30: J1.2@-76,-1842 9,-1842 ; J1.2@12,-2002 12,-1902 12,-1845 9,-1842 ; P2.1 27.39,-723.61 -6,-757 -6,-1257 129,-1392 129,-1777 64,-1842 9,-1842 ; U5.4 v1(594,-1157) ; U6.4 v1(1078,-1157) ; R7.2 v1(1554,-2172) ; U8.4 v1(1567,-1157) ; R10.2 v1(1918,-2172) ; U10.4 v1(2048,-1157) ; R14.2 v1(2289,-2172) ; U11.4 v1(2538,-1157) ; R17.2 v1(2664,-2172) ; U13.4 3005,-1157 3037,-1125 v1(3080,-1125) ; R21.2 v1(3034,-2172) ; R24.2 v1(3399,-2172) ; U15.4 v1(3499,-1157) ; R28.2 v1(3775,-2172) ; U16.4 v1(3978,-1157) ; R31.2 v1(4143,-2172) ; U18.4 v1(4458,-1157) ; R33.2 v1(4515,-2172) ; P23.3 4809,-2383.59 R35.2 ; U19.4 v1(4949,-1157)
  Bottom Layer w30: J1.2@12,-2002 12,-2250 80,-2318 481,-2318 532.8,-2369.8 P4.3 532.8,-2500.8 577,-2545 1009,-2545 ; P2.1 212.61,-723.61 244,-755 244,-1087 314,-1157 v1(594,-1157) v1(1078,-1157) v1(1567,-1157) v1(2048,-1157) v1(2538,-1157) 3080,-1157 ; P5.3 1003.11,-2539.11 1009,-2545 ; P8.3 1473.42,-2536.58 1465,-2545 ; v1(1554,-2172) v1(1918,-2172) v1(2289,-2172) v1(2664,-2172) 2888,-2172 ; P11.3 1943.73,-2544.73 1944,-2545 ; P12.3 2414.04,-2542.96 2412,-2545 ; v1(3080,-1125) 3080,-1157 ; P18.3 3354.66,-2543.66 3356,-2545 ; 3824.97,-2544.97 P19.3 ; P22.3 4295.28,-2534.28 4306,-2545 ; v1(4515,-2172) v1(4143,-2172) v1(3775,-2172) v1(3399,-2172) v1(3034,-2172) 2888,-2172 ; P23.3 4765.59,-2509.41 4730,-2545 4306,-2545 ; v1(4949,-1157) v1(4458,-1157) v1(3978,-1157) v1(3499,-1157) 3080,-1157 ; 1009,-2545 1465,-2545 ; 1465,-2545 1944,-2545 ; 1944,-2545 2412,-2545 ; 2412,-2545 2883,-2545 ; 2883,-2545 3356,-2545 ; 2883,-2545 2884.35,-2543.65 P15.3 2884.35,-2175.65 2888,-2172 ; 3356,-2545 3825,-2545 4306,-2545
pads on no net: K1.1 K1.4 K1.5 K1.6 P24.0 U1.3 U1.4 U1.25 U1.26 U1.27 U3.5

## Polygon pours and split planes (outlines as drawn)
GND on Bottom Layer "Top Layer-No Net" (hatched 90Degree grid 8 track 8, remove dead copper, pour order 10): -190,-625 475,-625 475,-708 5243.07,-708 5243.07,-2754.93 5243,-2755 -190,-2755 -190,-625
GND on Top Layer "Top Layer-No Net" (hatched 90Degree grid 8 track 8, remove dead copper, pour order 4): -190,-623 473,-623 474,-622 474,-707 5243.07,-707 5243.07,-2754.93 5243,-2755 -190,-2755 -190,-623

## Keep-outs
Keep-Out Layer:
  circle w10: c5,-2572 r125.98
  circle w10: c5046,-2561 r125.98
  circle w10: c5044,8 r125.98
  circle w10: c0,0 r125.98
  lines w7.87: 15,-2755 cw(c15,-2550) -190,-2550 -190,-7 cw(c15,-7) 15,198 5038.07,198 cw(c5038.07,-7) 5243.07,-7 5243.07,-2550 ; 15,-2754.76 5038,-2754.76 ; 5038,-2755 ccw(c5038,-2550) 5243,-2550

## Silkscreen, mask and mechanical layers (free items; w line width, h text height)
Top Overlay:
  text "GND" at 4944,-1645 h78.74
  text "+3.3V" at 4720,-1646 h78.74
Bottom Overlay:
  text "CLOSE" at 2170,40 h78.74
  text "COM" at 2358,40 h78.74
  text "OPEN" at 2582,40 h78.74
  text "+24V" at 57,-761 h78.74
  text "GND" at 63,-890 h78.74
  text "CAN_L" at 92,-1036 h78.74
  text "CAN_H" at 91,-1178 h78.74
  text "GND" at 298,-2498 h78.74 r90
  text "+24V" at 572,-2500 h78.74 r90
  text "IO板V1.2-20160928" at 4724,-2577 h78.74
  text "http://www.chenghe.info/" at 4812,-2679 h78.74

## Text inside footprints (layer, text, board x,y; h text height)
J1: Top Overlay "1" at 38,-1631 h39.37 r270; Top Overlay "2" at 40,-1841 h39.37 r270; Top Overlay "3" at 578,-2137 h39.37 r270; Top Overlay "5" at 568,-1328 h39.37 r270